# Altium PCB AD9834.PcbDoc
Units mm, origin at the board's own origin, x right, y up, seen from the top; angles counter-clockwise.
Board outline 60 x 50 mm, 2 copper layers (Top Layer, Bottom Layer); 44 components, 30 nets, 133 pads, 7 vias.
Unrouted connection lines stored in the file: 1.
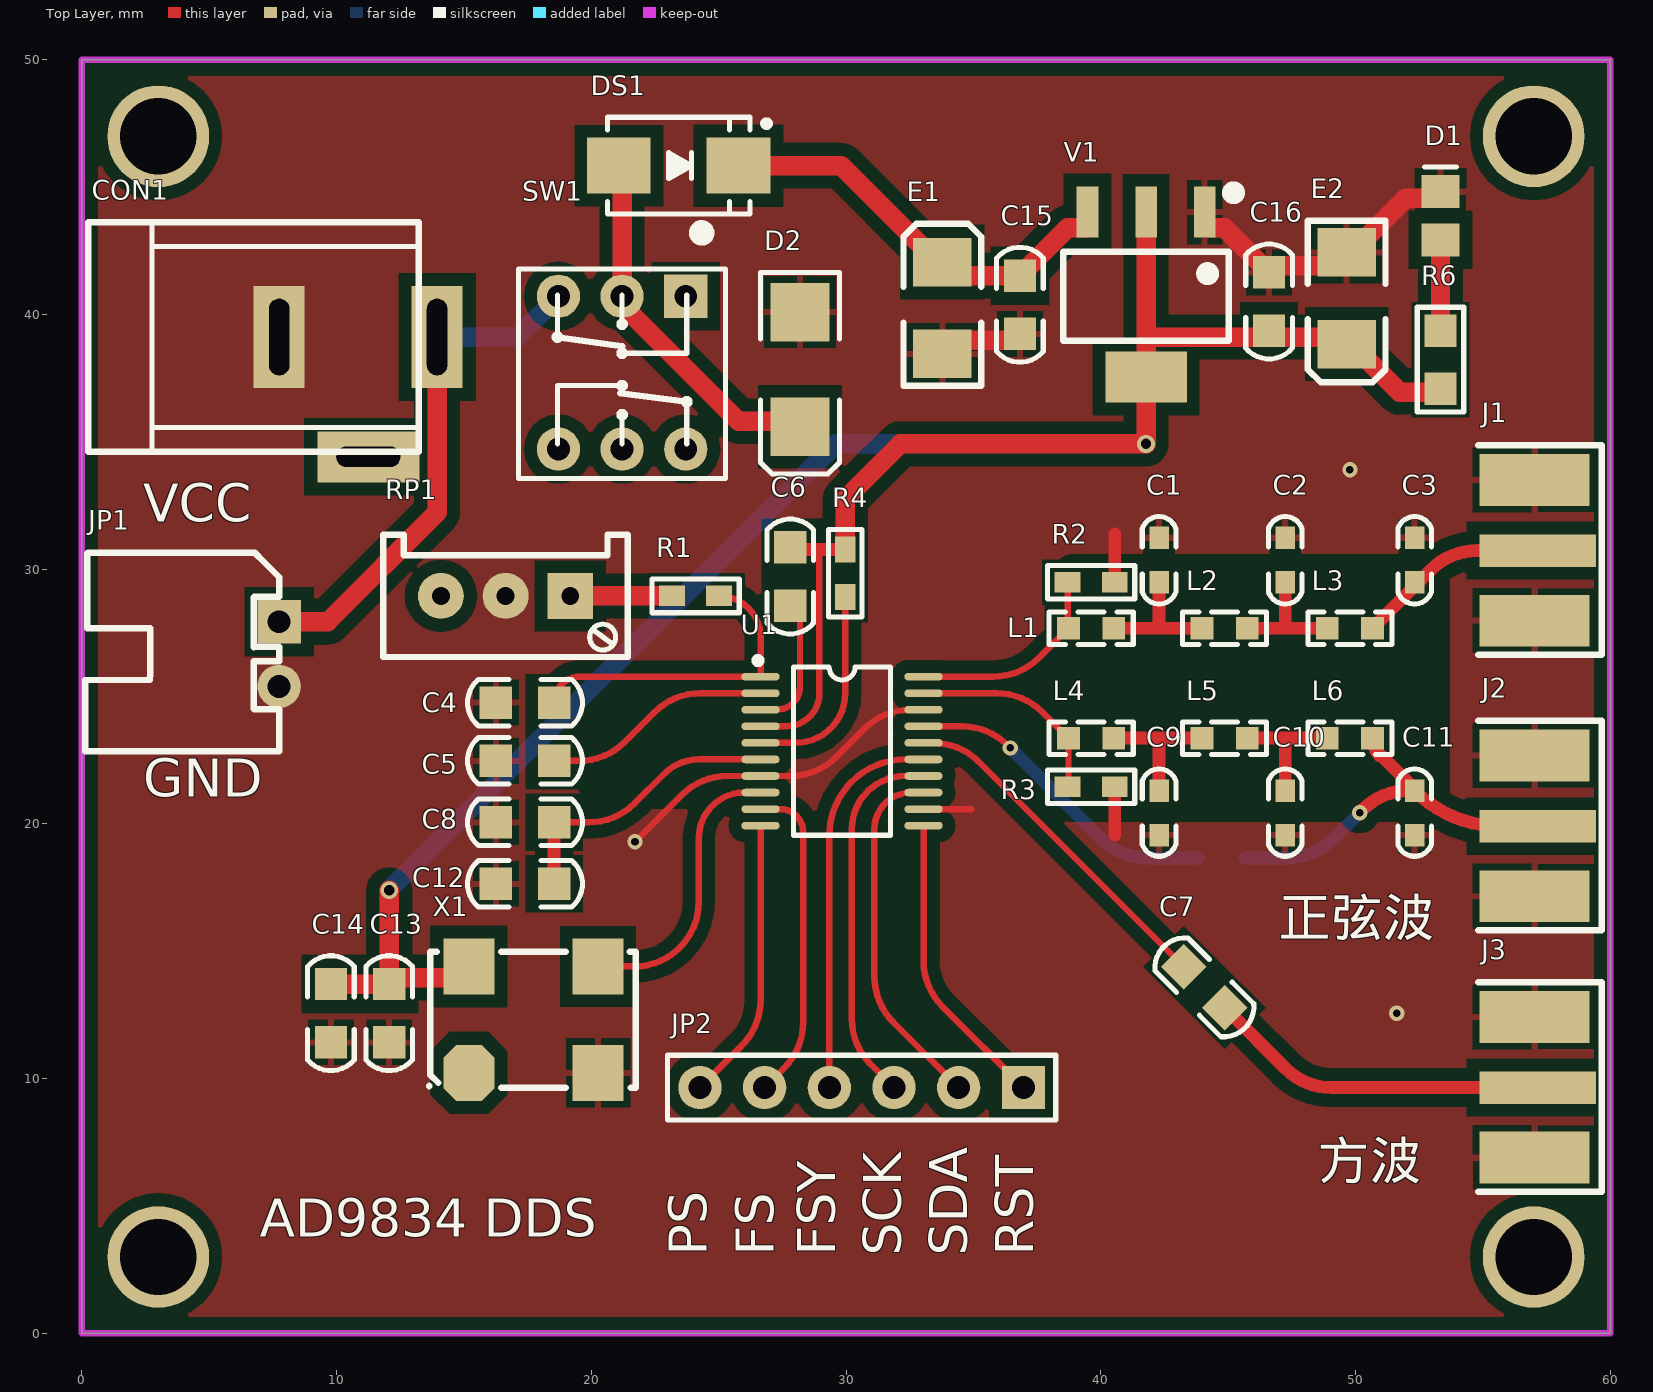
[diagram p0: Top Layer view]
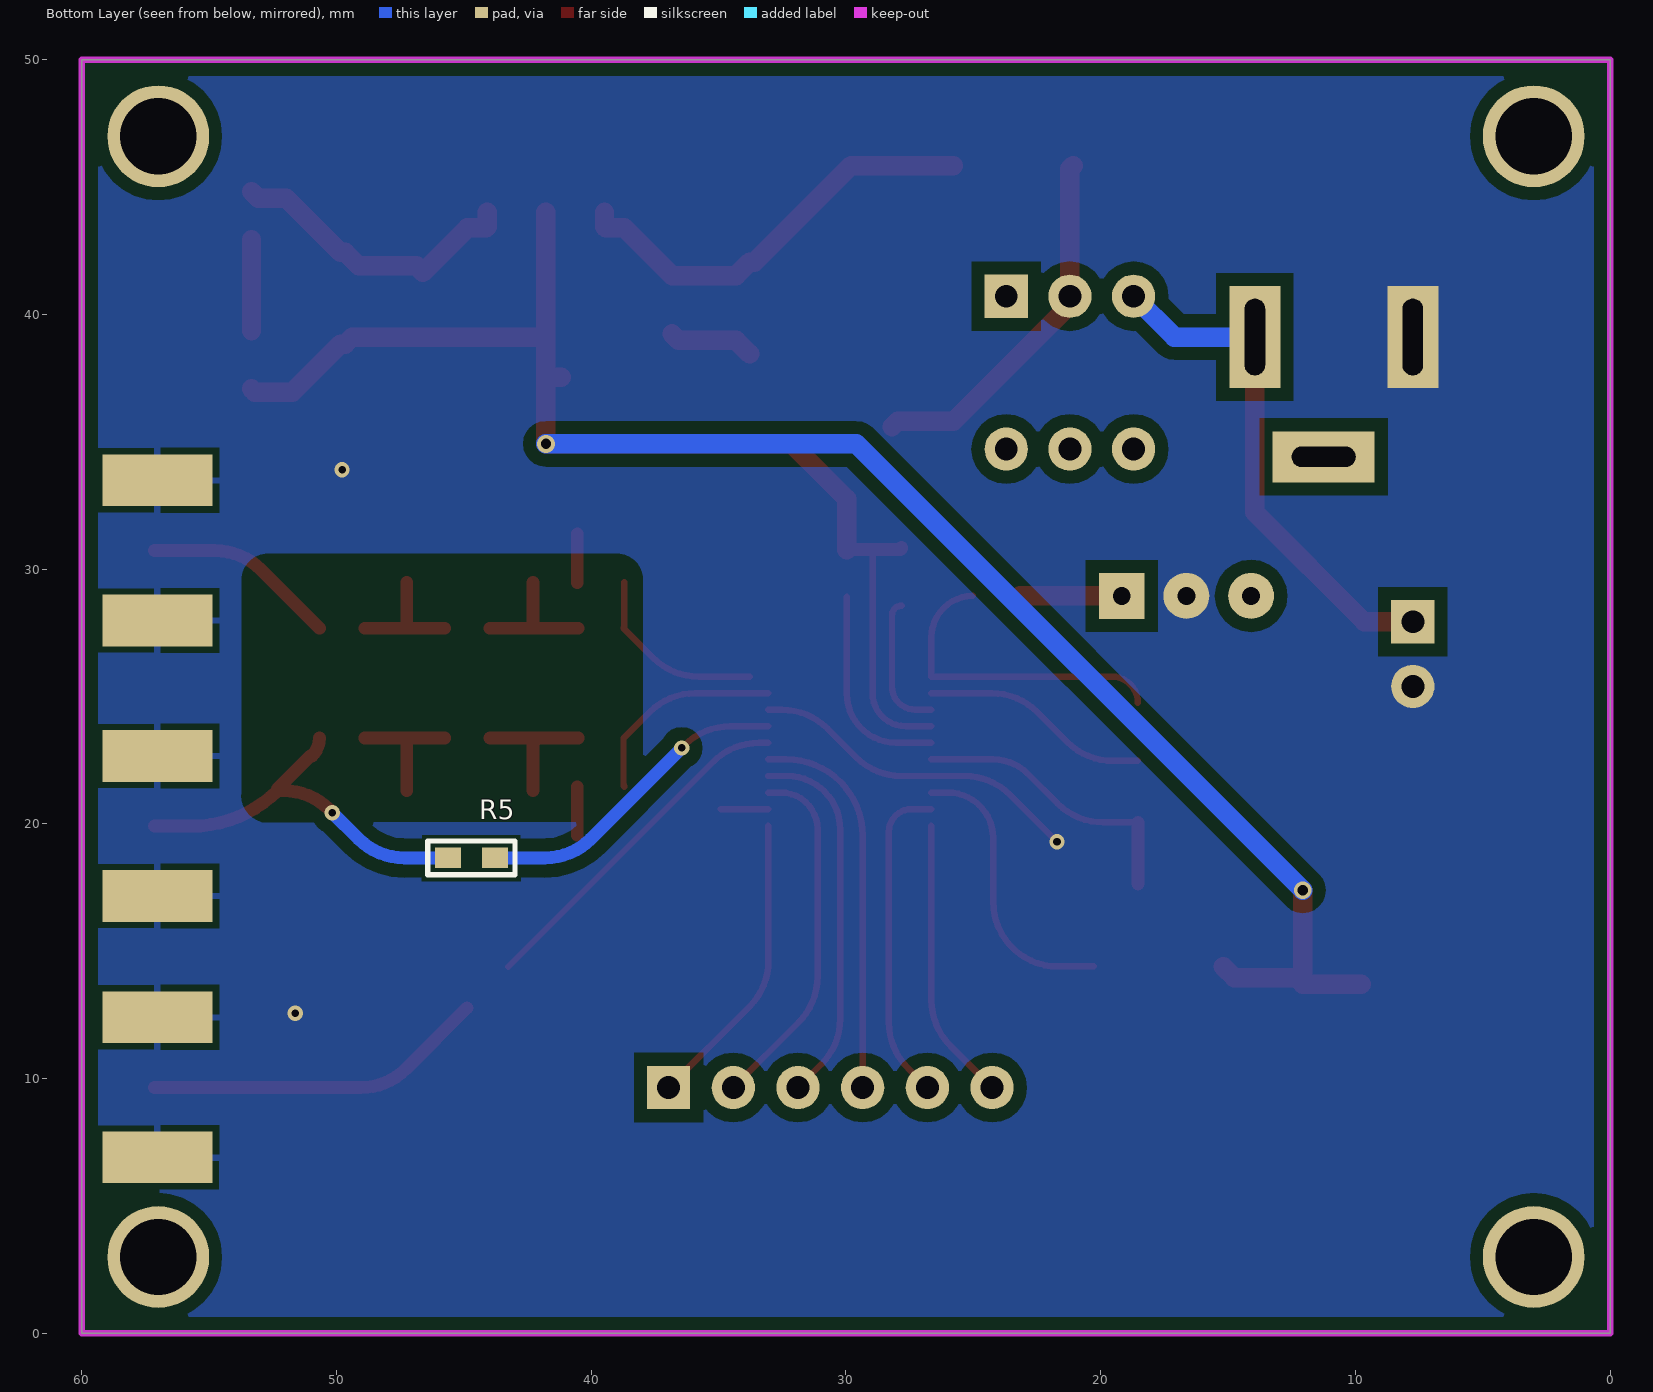
[diagram p1: Bottom Layer view, seen from below]

## Layer stack, top to bottom
Top Solder: solder mask 0.0102, Solder Resist, Dk 3.5
Top Layer: signal copper 0.0356
Dielectric 1: dielectric 0.32, FR-4, Dk 4.8
Bottom Layer: signal copper 0.0356
Bottom Solder: solder mask 0.0102, Solder Resist, Dk 3.5

## Board outline
0,0 60,0 60,50 0,50

## Design rules (kind name [scope] priority, off if disabled: settings)
Clearance [All] p1: gap=0.254 ignorepadtopadclearanceinfootprint=FALSE except(0: Arc-Hole Track-Hole SMDPad-Hole THPad-Hole Via-Hole Fill-Hole Poly-Hole Region-Hole Text-Hole; 0.508: Arc-Poly Track-Poly SMDPad-Poly THPad-Poly Via-Poly Fill-Poly Poly-Poly)
HoleSize [All] p1: absolutevalues=TRUE maxlimit=7.62 minlimit=0.025 maxpercent=80.000 minpercent=20.000
MinimumSolderMaskSliver [All] p1: minsoldermaskwidth=0.025
PolygonConnect [All] p1: thpad.connectstyle=Direct thpad.reliefconductorwidth=0.254 thpad.reliefentries=4 thpad.polygonreliefangle="90 Angle" thpad.airgapwidth=0.254 smdpad.connectstyle=Relief smdpad.reliefconductorwidth=0.254 smdpad.reliefentries=4 smdpad.polygonreliefangle="90 Angle" smdpad.airgapwidth=0.254 via.connectstyle=Direct via.reliefconductorwidth=0.254 via.reliefentries=4 via.polygonreliefangle="90 Angle" via.airgapwidth=0.254
RoutingVias [All] p1: holewidth=0.711 width=1.524 viastyle="Through Hole" minholewidth=0.3 minwidth=0.6 maxholewidth=3 maxwidth=4
SilkToSilkClearance [All] p1: silktosilkclearance=0.025
SolderMaskExpansion [All] p1: expansion=0.102
Width [All] p1: maxlimit=2.54 minlimit=0.025 preferedwidth=0.762
27 further rules are at their usual default settings.

## Components (designator, comment, footprint, x,y, rotation, side; value= is the part's Value field where it differs from the comment)
C1 "135pF" "C 0603" 42.291,30.353 r270 top
C2 "158pF" "C 0603" 47.244,30.353 r270 top
C3 "84pF" "C 0603" 52.324,30.353 r270 top
C4 "104" "C 0805" 17.399,24.765 r0 top
C5 "104" "C 0805" 17.399,22.479 r0 top
C6 "104" "C 0805" 27.813,29.718 r270 top
C7 "104" "C 0805" 44.069,13.589 r315 top
C8 "104" "C 0805" 17.399,20.066 r0 top
C9 "135pF" "C 0603" 42.291,20.447 r90 top
C10 "158pF" "C 0603" 47.244,20.447 r90 top
C11 "84pF" "C 0603" 52.324,20.447 r90 top
C12 "1UF" "C 0805" 17.399,17.653 r0 top
C13 "104" "C 0805" 12.065,12.573 r90 top
C14 "0.01uF" "C 0805" 9.779,12.573 r90 top
C15 "103" "C 0805" 36.83,40.386 r90 top
C16 "103" "C 0805" 46.609,40.513 r270 top
CON1 "3.5*1.3" DC-005 7.747,39.116 r180 top
D1 "LED" LED_0805 53.34,43.881 r90 top
D2 "TVS" DIODE-SMB 28.194,37.846 r270 top
DS1 "D Schottky" SMB 23.431,45.847 r0 top
E1 "10uF/6.3V" "CD B(3528)" 33.782,40.259 r270 top
E2 "10uF/6.3V" "CD B(3528)" 49.657,40.64 r90 top
J1 "COAX" MCX5.08-5-H 57.15,30.734 r0 top
J2 "COAX" MCX5.08-5-H 57.15,19.914 r0 top
J3 "COAX" MCX5.08-5-H 57.15,9.652 r0 top
JP1 "HDR-1X2" XH2.54-2P_H 7.747,27.94 r270 top
JP2 "HDR-1X6" HDR-1X6 36.965,9.652 r180 top
L1 "209nH" "L 0603" 39.624,27.686 r0 top
L2 "394nH" "L 0603" 44.863,27.686 r0 top
L3 "338nH" "L 0603" 49.784,27.686 r0 top
L4 "209nH" "L 0603" 39.624,23.368 r0 top
L5 "394nH" "L 0603" 44.863,23.368 r0 top
L6 "338nH" "L 0603" 49.784,23.368 r0 top
R1 "6.8K" "R 0603" 24.092,28.956 r0 top
R2 "200" "R 0603" 39.624,29.489 r180 top
R3 "200" "R 0603" 39.624,21.463 r180 top
R4 "0" "R 0603" 29.972,29.845 r270 top
R5 "300" "R 0603" 44.704,18.669 r0 bottom
R6 "1K" "R 0805" 53.34,38.227 r90 top
RP1 "50K" 3296W 16.637,28.956 r180 top
SW1 "KET 8X8" "KFT DIP-8X8" 21.209,37.719 r270 top
U1 "AD9834" TSSOP20_N 29.845,22.86 r0 top
V1 "AMS1117-3V3" SOT223_N 41.783,40.719 r180 top
X1 "75M" X-CPX75 17.526,12.146 r0 top

## Footprints (in the part's own frame and the unit in brackets; to place one, negate y for a bottom-side part, rotate by r counter-clockwise, add the part's x,y. Pads: shape width x height; smd on the part's side, far side on the other; paste and mask are expansions set on the pad)
3296W [mm] "Precise Multi-Winding Adjustable Resistor"
  rect 1.8x1.8 hole 0.7: 1(-2.54,0)
  round 1.8 hole 0.7: 2(0,0) 3(2.54,0)
  silkscreen extent -4.8,-2.4 4.8,2.4, body extent -4.75,-2.4 4.75,2.4, height 11.52
"C 0603" [mil] "无极性贴片电容"
  rect 35x30 smd: 1(-35,0) 2(34,0)
  silkscreen extent -67,-26 67,26, body extent -31,-16 31,16, height 32
"C 0805" [mil] "无极性贴片电容"
  rect 50x50 smd: 1(-45,0) 2(45,0)
  silkscreen extent -89,-36 89,36, body extent -39,-24 39,24, height 20
"CD B(3528)" [mil] "长3.5mm，宽2.8mm，厚1.9mm"
  rect 75x90 smd: 1(-70.87,-0.01) 2(70.86,-0.01)
  silkscreen extent -130,-60 120,60, body extent -69,-55 69,55, height 75
DC-005 [mm] "5.5*2.1mm，DC30V,2.5A"
  rect 2x4 hole 0.8 slot 3 at 90 deg: 1(-6.2,0) 2(0,0)
  rect 4x2 hole 0.8 slot 2.5 at 0 deg: 3(-3.5,4.7)
  silkscreen extent -5.48,-4.5 7.5,4.5, body extent -6.55,-4.5 7.5,4.8, height 11.2
DIODE-SMB [mm] "DO-214-AA/SMB; 2 C-Bend Leads; Body 5.3 x 3.6 mm, inc. leads (LxW)"
  rect 2.3x2.3 smd: 1(-2.25,0) 2(2.25,0)
  silkscreen extent -3.8,-1.55 4.1,1.55
HDR-1X6 [mm] "排针，6脚"
  rect 1.7x1.7 hole 0.9: 1(0,0)
  round 1.7 hole 0.9: 2(2.54,0) 3(5.08,0) 4(7.62,0) 5(10.16,0) 6(12.7,0)
  silkscreen extent -1.27,-1.27 13.97,1.27, body extent -1.27,-1.27 13.97,1.27, height 8.5
"KFT DIP-8X8" [mm] "自锁开关，规格：8*8mm"
  rect 1.7x1.7 hole 0.9: 1(-3,2.5)
  round 1.7 hole 0.9: 2(-3,0) 3(-3,-2.5) 4(3,-2.5) 5(3,0) 6(3,2.5)
  silkscreen extent -5.69,-4.06 4.15,4.06, body extent -3.95,-4.05 4.05,3.95, height 13.1
"L 0603" [mil] "小功率贴片电感"
  rect 35x35 smd: 1(-35,0) 2(35,0)
  silkscreen extent -65,-25 65,25, body extent -31,-16 31,16, height 31
LED_0805 [mm] "贴片二极管"
  rect 1.3x1.5 smd: 1(-0.95,0) 2(0.95,0)
  silkscreen extent 1.91,-0.63 1.91,0.64
MCX5.08-5-H [mil]
  rect 180x50 smd: 1(0,0)
  rect 170x80 smd: 2(-5,109.25) 5(-5,-108.27)
  rect 170x80 smd far side: 3(-5,108.66) 4(-5,-107.87)
  silkscreen extent -92,-161 99,163, body extent -93,-132 80,134, height 39
"R 0603" [mil] "1/10W贴片电阻"
  rect 40x31.5 smd: 1(-36.5,0) 2(36.5,0)
  silkscreen extent -68,-26 68,26, body extent -31,-16 32,16, height 16
"R 0805" [mil] "1/8W贴片电阻"
  rect 50x50 smd: 1(-45,0) 2(45,0)
  silkscreen extent -81,-36 81,36, body extent -39,-25 39,25, height 20
SMB [mm] "4.7*3.9*2.2mm(长宽高，不包括引脚）"
  rect 2.5x2.2 smd: 1(-2.35,0) 2(2.35,0)
  silkscreen extent -2.8,-1.9 3.58,1.9, body extent -2.63,-1.8 2.67,1.8, height 2.35
SOT223_N [mm] "6.4x7x1.6mm(长宽高)"
  rect 0.85x2 smd: 1(-2.3,-3.302) 2(0,-3.302) 3(2.3,-3.302)
  rect 3.2x2 smd: 2(0,3.175)
  silkscreen extent -3.63,-4.26 3.25,1.75, body extent -3.25,-3.51 3.25,3.51, height 1.65
TSSOP20_N [mm] "6.5*6.4*1（长宽高）"
  oval 1.5x0.3 smd: 1(-3.2,2.925) 2(-3.2,2.275) 3(-3.2,1.625) 4(-3.2,0.975) 5(-3.2,0.325) 6(-3.2,-0.325) 7(-3.2,-0.975) 8(-3.2,-1.625) 9(-3.2,-2.275) 10(-3.2,-2.925) 11(3.2,-2.925) 12(3.2,-2.275) 13(3.2,-1.625) 14(3.2,-0.975) 15(3.2,-0.325) 16(3.2,0.325) 17(3.2,0.975) 18(3.2,1.625) 19(3.2,2.275) 20(3.2,2.925)
  silkscreen extent -3.43,-3.3 1.91,3.69, body extent -3.2,-3.25 3.2,3.25, height 1.03
X-CPX75 [mm]
  oct 2x2.2 smd: 1(-2.331,-1.915)
  rect 2x2.2 smd: 2(2.741,-1.915) 3(2.741,2.261) 4(-2.331,2.261)
  silkscreen extent -3.88,-2.5 4.23,2.84, body extent -3.86,-2.49 4.24,2.84, height 1.75
XH2.54-2P_H [mm] "接插件，2P"
  rect 1.7x1.7 hole 0.9: 1(0,0)
  round 1.7 hole 0.9: 2(2.54,0)
  silkscreen extent -2.72,-7.62 5.08,0, body extent -2.5,-7.35 5.04,0.35, height 5.73

## Part data
C1 C2 C3 C4 C5 C6 C7 C8 C9 C10 C11 C12 C13 C14 C15 C16: library part C, "无极性贴片电容"
CON1: library part P-DC, "低压电源接口", BOM名称=D, 学习资源=ww
D1: "发光二极管", LatestRevisionDate=08-Jul-2005, LatestRevisionNote="Mech Layer 1 removed.", PackageReference=LED, Published=8-Jun-2000, Publisher="Altium Limited"
D2: "TVS保护", PackageDocument=Sep-1996, Code_JEDEC=DO-214-AB, LatestRevisionDate=17-Jul-2002, LatestRevisionNote="Re-released for DXP Platform.", PackageReference=SMC, Published=8-Jun-2000, Publisher="Altium Limited", Type=SMBJ5.0A
DS1: "Schottky Diode", Code_JEDEC=DO-214-AA, LatestRevisionDate=17-Jul-2002, LatestRevisionNote="Re-released for DXP Platform.", PackageDescription="DO-214-AA/SMB; 2 C-Bend Leads; Body 5.3 x 3.6 mm, inc. leads (LxW)", PackageReference=SMB, Published=8-Jun-2000, Publisher="Altium Limited"
E1 E2: library part C-CD, "贴片钽电容"
JP1: library part "Header 2", "2P接插件", 学习资源=ww
JP2: library part "Header 6", "6P接插件", 学习资源=ww
L1 L2 L3 L4 L5 L6: library part L, "小功率贴片电感"
R1 R2 R3 R4 R5 R6: library part R, "贴片电阻"
RP1: library part RP-ID, "插件单联电位器"
SW1: "8*8自锁开关"
U1: "20mW Power,2,3V to 5.5V,75MHz, Complete DDS"
V1: library part AMS1117, "三端稳压芯片", 学习资源=ww
X1: library part XTAL_Oscillator, "有源晶振", Frequency=75M

## Free pads (board coordinates)
  round 4 hole 3: 2(3,3) 2(3,47) 2(57,3) 2(57,47)

## Via types
v1: diameter 0.6, hole 0.3, Top Layer to Bottom Layer, tented both sides, 5 vias
v2: diameter 0.7, hole 0.4, Top Layer to Bottom Layer, tented both sides, 2 vias

## Nets (pads, with @x,y where several pads share a name; then routed paths per layer and width w, separated by ;. In a path a pad name is that pad's centre, name@x,y a point inside that pad or via, vN(x,y) a via of type N, cw(c..) or ccw(c..) an arc to the next point about the centre after c; other vN are vias at no path point)
5V: CON1.1 JP1.1 SW1.3 | length 20.3
  Top Layer w0.762: JP1.1 9.652,27.94 13.947,32.235 CON1.1
  Bottom Layer w0.762: CON1.1 17.106,39.116 SW1.3
AVDD: C6.1 C13.2 C14.2 C16.2 E2.1 R4.1 R6.1 U1.4 V1.2 X1.4 | length 94
  Top Layer w0.254: U1.4 27.656,23.835 ccw(c27.656,25.135) 28.956,25.135 28.956,30.772
  Top Layer w0.508: C6.1 ccw(c27.902,30.861) 27.902,30.772 28.956,30.772 R4.1@29.803,30.772
  Top Layer w0.762: C14.2 C13.2 ; v2(12.065,17.399) C13.2 ; X1.4 14.758,13.97 12.319,13.97 C13.2 ; R4.1 29.972,32.766 32.131,34.925 v2(41.783,34.925) V1.2@41.783,37.544 ; V1.2@41.183,37.544 V1.2@41.783,37.544 ; V1.2@41.783,44.021 41.783,39.116 ; R6.1 53.213,36.957 51.731,36.957 49.848,38.84 E2.1 49.381,39.116 41.783,39.116 ; V1.2@41.783,37.544 41.783,39.116
  Bottom Layer w0.762: v2(12.065,17.399) 29.591,34.925 v2(41.783,34.925)
FS: JP2.5 U1.9 | length 12.7
  Top Layer w0.254: U1.9 27.421,20.585 cw(c27.421,19.685) 28.321,19.685 28.321,12.22 cw(c25.781,12.22) 27.577,10.424 JP2.5
FSY: JP2.4 U1.15 | length 15.3
  Top Layer w0.254: JP2.4 29.345,19.541 cw(c32.339,19.541) 32.339,22.535 U1.15
GND: C1.1 C2.1 C3.1 C4.1 C5.1 C8.1 C9.1 C10.1 C11.1 C12.1 C13.1 C14.1 C15.1 C16.1 CON1.2 D1.2 D2.1 E1.2 E2.2 J1.2 J1.3 J1.4 J1.5 J2.2 J2.3 J2.4 J2.5 J3.2 J3.3 J3.4 J3.5 JP1.2 R2.1 R3.1 RP1.2 U1.7 U1.12 U1.18 V1.1 X1.2 | length 34.3
  Top Layer w0.254: v1(21.717,19.304) 23.554,21.141 cw(c25.35,19.345) 25.35,21.885 U1.7 27.818,21.885 ccw(c27.818,24.425) 29.614,22.629 30.726,23.741 cw(c32.522,21.945) 32.522,24.485 U1.18 ; U1.12 34.914,20.585 34.925,20.574 ; 40.513,19.478 ccw(c40.421,19.57) 40.551,19.57 ; 40.513,31.473 cw(c40.421,31.381) 40.551,31.381
  Top Layer w0.508: 40.551,19.57 R3.1 ; R2.1 40.551,31.381
  Top Layer w0.762: E1.2 34.312,38.989 36.576,38.989 C15.1 ; V1.1 44.083,43.446 44.127,43.402 44.863,43.402 C16.1 46.863,41.91 49.127,41.91 E2.2 49.848,42.44 51.97,44.562 53.071,44.562 D1.2
  other v1: 51.625,12.573 49.784,33.909
NetC1_2: C1.2 L1.2 L2.1 | length 5.3
  Top Layer w0.508: L1.2 42.244,27.686 ; C1.2 42.291,27.801 cw(c42.129,27.801) 42.244,27.686 ; L2.1 42.244,27.686
NetC2_2: C2.2 L2.2 L3.1 | length 4.9
  Top Layer w0.508: L2.2 47.244,27.686 ; C2.2 47.244,27.686 ; L3.1 47.244,27.686
NetC3_2: C3.2 J1.1 L3.2 | length 7.6
  Top Layer w0.508: L3.2 52.977,29.99 cw(c54.773,28.194) 54.773,30.734 J1.1
NetC4_2: C4.2 R1.2 U1.1 | length 12.8
  Top Layer w0.254: C4.2 cw(c19.562,24.765) 19.562,25.785 U1.1 26.645,27.33 ccw(c25.019,27.33) R1.2
NetC5_2: C5.2 U1.2 | length 9
  Top Layer w0.254: C5.2 19.522,22.479 ccw(c19.522,25.019) 21.318,23.223 22.486,24.391 cw(c24.282,22.595) 24.282,25.135 U1.2
NetC6_2: C6.2 U1.3 | length 5.5
  Top Layer w0.254: U1.3 27.283,24.485 ccw(c27.283,25.396) 28.194,25.396 28.194,28.194 ccw(c27.813,28.194) C6.2
NetC7_1: C7.1 U1.16 | length 13.7
  Top Layer w0.254: U1.16 33.421,23.185 cw(c33.421,20.645) 35.217,22.441 C7.1
NetC7_2: C7.2 J3.1 | length 13.5
  Top Layer w0.508: C7.2 47.262,10.396 ccw(c49.058,12.192) 49.058,9.652 J3.1
NetC8_2: C8.2 C12.2 U1.6 | length 11.3
  Top Layer w0.254: C8.2 19.903,20.066 ccw(c19.903,22.606) 21.699,20.81 22.86,21.971 cw(c24.222,20.609) 24.222,22.535 U1.6
  Top Layer w0.508: C12.2 C8.2
NetC9_2: C9.2 L4.2 L5.1 | length 5.6
  Top Layer w0.508: L4.2 42.164,23.368 ; C9.2 42.291,23.061 ccw(c41.857,23.061) 42.164,23.368 ; L5.1 42.164,23.368
NetC10_2: C10.2 L5.2 L6.1 | length 5.2
  Top Layer w0.508: L5.2 47.244,23.368 ; C10.2 47.244,23.368 ; L6.1 47.244,23.368
NetC11_2: C11.2 J2.1 L6.2 R5.2 | length 15.5
  Top Layer w0.508: v1(50.165,20.447) 50.285,20.567 cw(c52.081,18.771) 52.081,21.311 C11.2 ; L6.2 ccw(c51.654,23.368) 50.96,22.674 51.024,22.674 52.324,21.374 C11.2 ; J2.1 55.697,19.914 cw(c55.697,24.683) C11.2
  Bottom Layer w0.508: R5.2@45.669,18.669 47.335,18.669 ccw(c47.335,21.209) 49.131,19.413 v1(50.165,20.447)
NetC15_2: C15.2 DS1.2 E1.1 V1.3 | length 16.9
  Top Layer w0.762: DS1.2 29.803,45.847 33.591,42.059 E1.1 34.312,41.529 C15.2 38.703,43.402 39.439,43.402 39.483,43.446 V1.3
NetD1_1: D1.1 R6.2 | length 3.6
  Top Layer w0.762: R6.2 D1.1
NetL1_1: L1.1 R2.2 U1.20 | length 7.4
  Top Layer w0.254: U1.20@33.782,25.785 35.782,25.785 ccw(c35.782,28.325) 37.578,26.529 L1.1 cw(c38.827,27.778) 38.697,27.778 R2.2
NetL4_1: L4.1 R3.2 U1.19 | length 8.2
  Top Layer w0.254: U1.19 35.916,25.135 cw(c35.916,22.595) 37.712,24.391 L4.1 38.735,21.555 cw(c38.605,21.555) R3.2
NetR1_1: R1.1 RP1.1 | length 4
  Top Layer w0.762: RP1.1 R1.1
NetR4_2: R4.2 U1.5 | length 8.2
  Top Layer w0.254: U1.5 28.022,23.185 ccw(c28.022,25.135) 29.972,25.135 R4.2
NetR5_1: R5.1 U1.17 | length 12.7
  Top Layer w0.254: U1.17 34.549,23.835 cw(c34.549,21.295) 36.345,23.091 v1(36.449,22.987)
  Bottom Layer w0.508: v1(36.449,22.987) 40.023,19.413 ccw(c41.819,21.209) 41.819,18.669 R5.1@43.815,18.669
NetU1_8: U1.8 X1.3 | length 11.4
  Top Layer w0.254: X1.3 21.682,14.406 ccw(c21.682,16.946) 24.222,16.946 24.222,19.449 cw(c26.008,19.449) 26.008,21.235 U1.8
PS: JP2.6 U1.10 | length 11.2
  Top Layer w0.254: JP2.6 25.901,11.288 ccw(c24.105,13.084) 26.645,13.084 U1.10
RST: JP2.1 U1.11 | length 11.8
  Top Layer w0.254: U1.11 33.045,14.624 ccw(c35.585,14.624) 33.789,12.828 JP2.1
SCK: JP2.3 U1.14 | length 14.7
  Top Layer w0.254: JP2.3 30.97,10.567 cw(c32.766,12.363) 30.226,12.363 30.226,19.794 cw(c32.317,19.794) 32.317,21.885 U1.14
SDA: JP2.2 U1.13 | length 14.2
  Top Layer w0.254: U1.13 32.556,21.235 ccw(c32.556,19.794) 31.115,19.794 31.115,14.014 ccw(c33.655,14.014) 31.859,12.218 JP2.2
VCC: D2.2 DS1.1 SW1.2 | length 14.5
  Top Layer w0.762: DS1.1 21.209,45.719 SW1.2 21.209,40.386 25.781,35.814 27.976,35.814 D2.2
pads on no net: CON1.3 RP1.3 SW1.1 SW1.4 SW1.5 SW1.6 X1.1

## Polygon pours and split planes (outlines as drawn)
GND on Bottom Layer "Top Layer-No Net1" (solid, pour order 1): 0,0 60,0 60,50 0,50
GND on Top Layer "Top Layer-No Net" (solid, remove dead copper, pour order 0): 0,0 60,0 60,50 0,50

## Keep-outs
Keep-Out Layer:
  the board outline again, w0.254

## Other copper
Top Layer:
  pour cut-out: 19.685,24.313 25.404,24.313 25.404,20.795 cw(c25.161,20.795) 25.333,20.623 cw(c25.214,20.742) 25.214,20.574 19.678,20.574
  pour cut-out: 37.973,29.591 cw(c38.989,29.591) 38.989,30.607 52.743,30.607 cw(c52.743,29.629) 53.721,29.629 53.721,21.082 cw(c52.705,21.082) 52.705,20.066 38.862,20.066 cw(c38.989,21.082) 37.973,21.209
  pour cut-out: 37.846,30.328
  pour cut-out: 37.846,30.328
Bottom Layer:
  pour cut-out: 53.721,29.591 ccw(c52.705,29.591) 52.705,30.607 38.989,30.607 ccw(c38.989,29.591) 37.973,29.591 37.973,21.082 ccw(c38.989,21.082) 38.989,20.066 52.832,20.066 ccw(c52.705,21.082) 53.721,21.209

## Silkscreen, mask and mechanical layers (free items; w line width, h text height)
Top Overlay:
  text "VCC" at 2.413,31.369 h2.54
  text "GND" at 2.413,20.585 h2.54
  text "正弦波" at 46.99,15.113 h2.54
  text "方波" at 48.514,5.588 h2.54
  text "AD9834 DDS" at 6.985,3.302 h2.54
  text "PS" at 25.019,3.048 h2.54 r90
  text "FS" at 27.656,3.048 h2.54 r90
  text "FSY" at 30.074,3.048 h2.54 r90
  text "SCK" at 32.664,3.048 h2.54 r90
  text "SDA" at 35.255,3.048 h2.54 r90
  text "RST" at 37.846,3.048 h2.54 r90